# Altium PCB Sheet1.PcbDoc
Units mm, origin at the board's own origin, x right, y up, seen from the top; angles counter-clockwise.
Board outline 68.6 x 53.25 mm, 2 copper layers (Top Layer, Bottom Layer), stack 1.66 mm thick; 61 components, 60 nets, 236 pads, 100 vias.
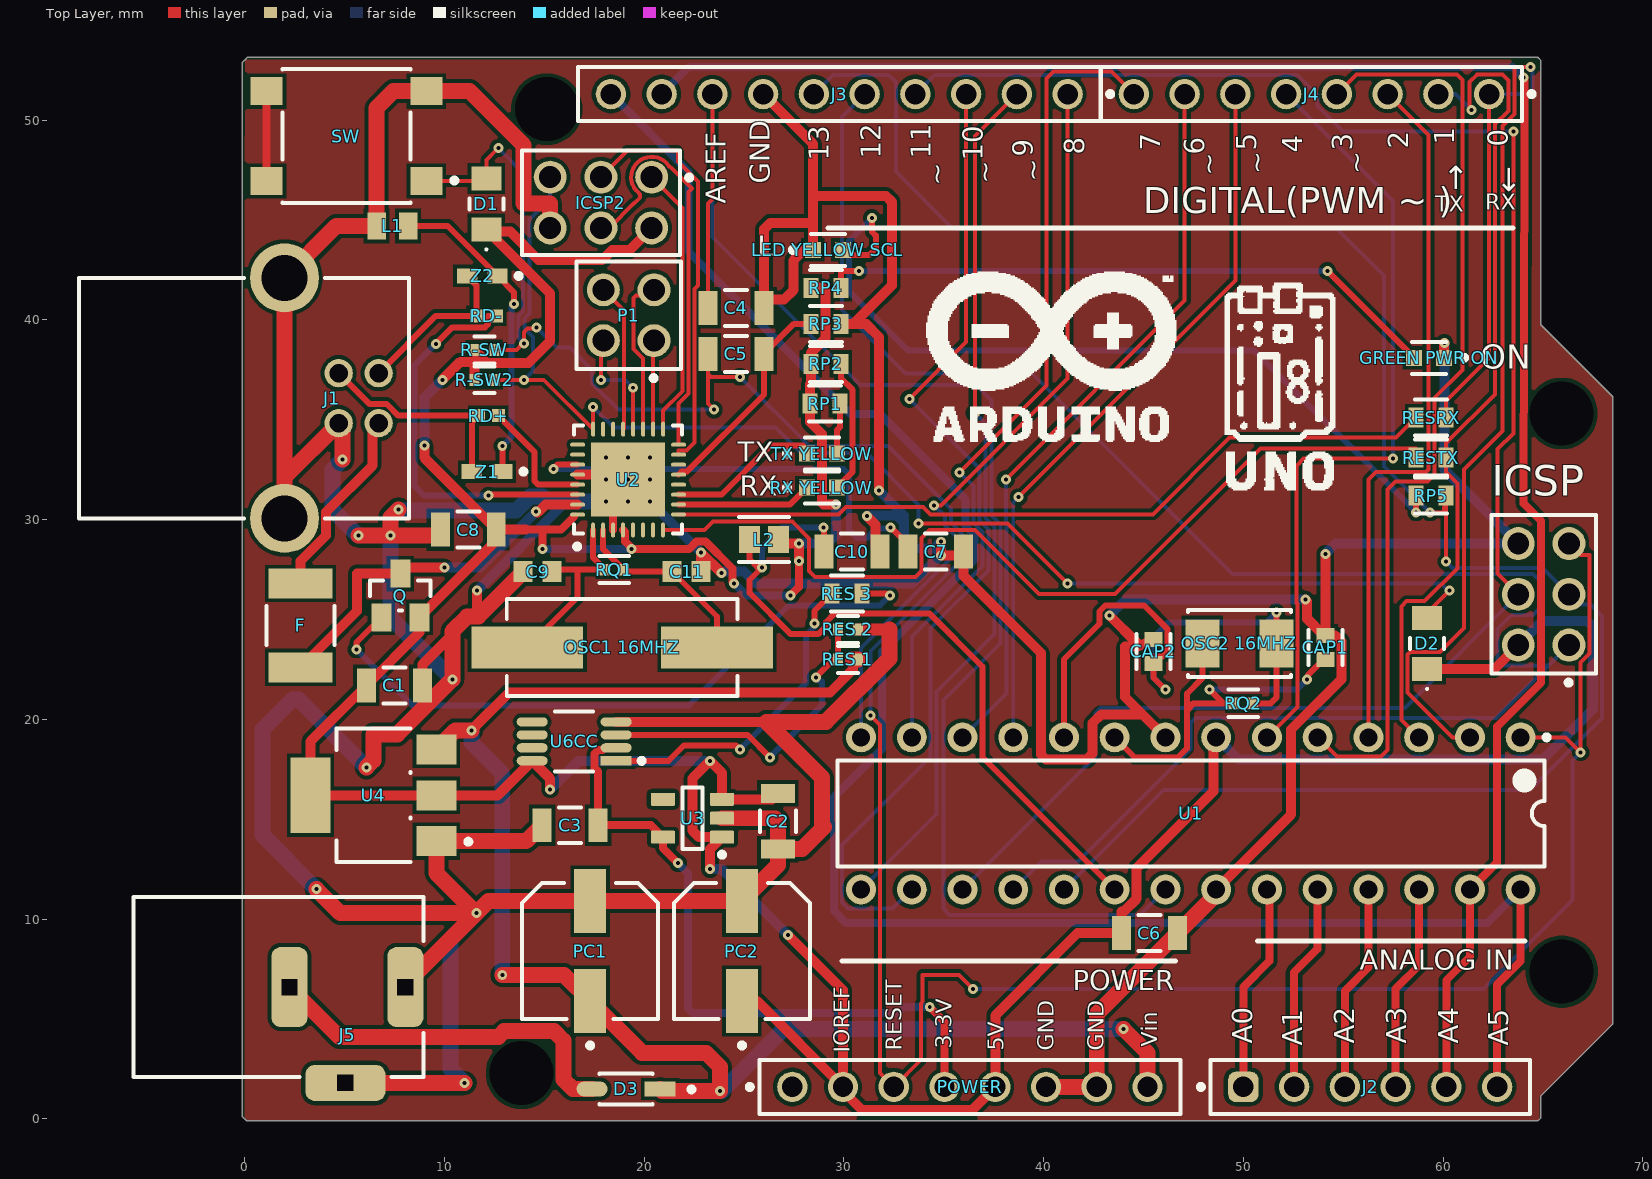
[diagram p0: Top Layer view]
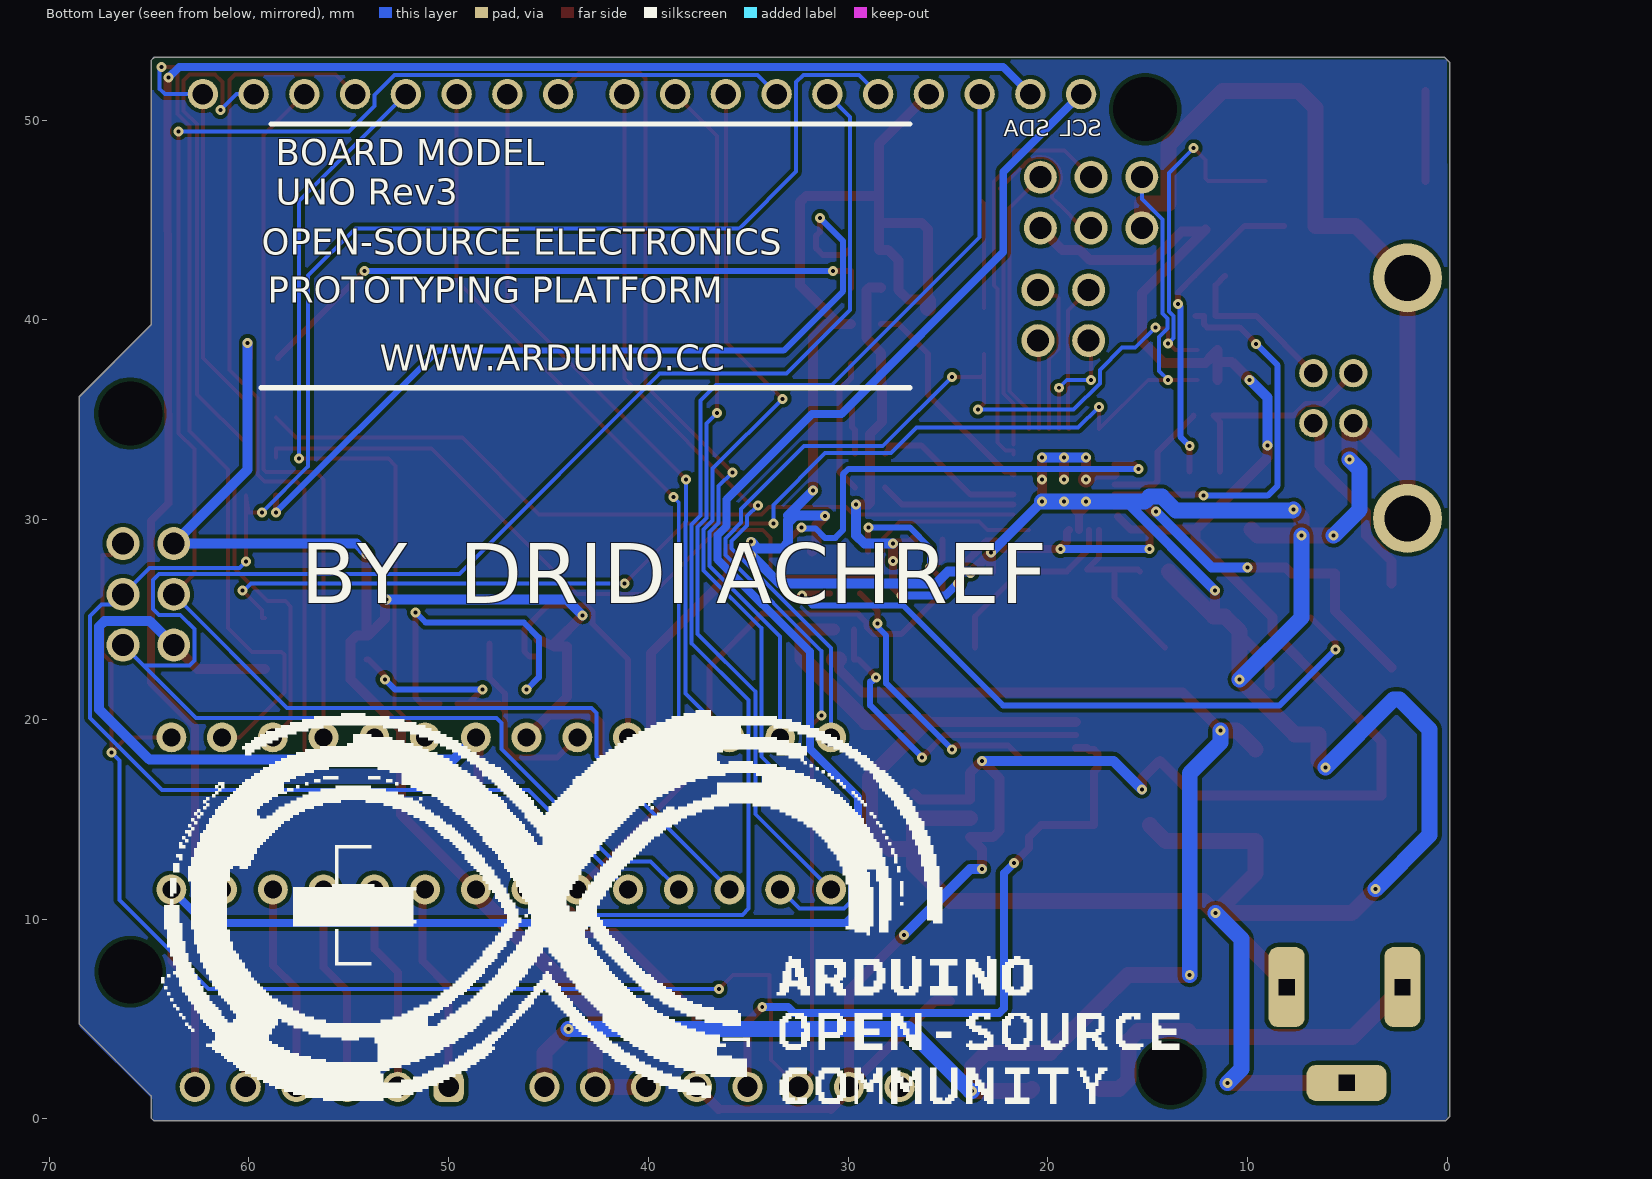
[diagram p1: Bottom Layer view, seen from below]
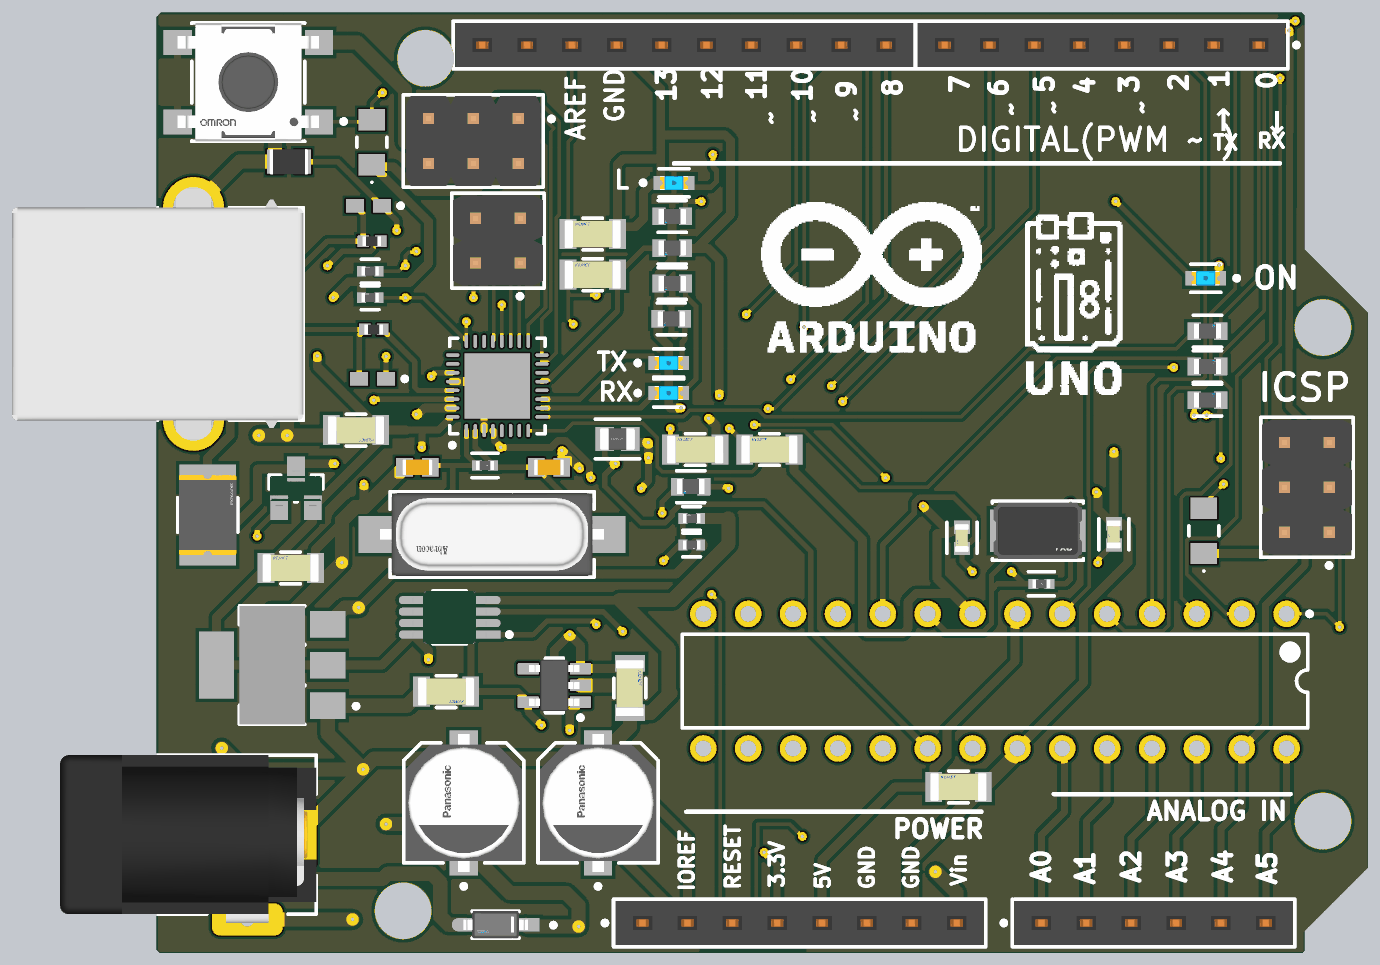
[diagram p2: 3D render of the assembled board from above, using the file's embedded part models]

## Layer stack, top to bottom
Top Solder: solder mask 0.05, Solder Resist, Dk 3.5
Top Layer: signal copper 0.03
Dielectric 1: dielectric 1.6, FR-4, Dk 4.8
Bottom Layer: signal copper 0.03
Bottom Solder: solder mask 0.05, Solder Resist, Dk 3.5

## Board outline
-0.105,0.105 -0.105,52.893 0.152,53.149 64.734,53.149 64.895,52.988 64.895,39.749 68.495,36.149 68.495,4.749 68.42,4.674 64.895,1.149 64.895,0.041 64.749,-0.105 0.105,-0.105

## Design rules (kind name [scope] priority, off if disabled: settings)
BackDrilling [All] p1: maxstublength=0.5 usetopbackdrill=TRUE usebottombackdrill=TRUE holeoversize=0.025 holetolplus=0 holetolminus=0
Clearance [All] p1: gap=0.1 ignorepadtopadclearanceinfootprint=FALSE except(0: Arc-Hole Track-Hole SMDPad-Hole THPad-Hole Via-Hole Fill-Hole Poly-Hole Region-Hole Text-Hole; 0.01: Arc-Text Track-Text Text-Text)
Creepage [All] p1: checkdistance=0.2 applytopolygonpour=TRUE
DiffPairsRouting [All] p1: maxlimit=0.4 minlimit=0.4 mostfreqgap=0.4 toplayer_minwidth=0.2 toplayer_maxwidth=0.2 toplayer_prefwidth=0.2 bottomlayer_minwidth=0.2 bottomlayer_maxwidth=0.2 bottomlayer_prefwidth=0.2 maxuncoupledlength=12.7
FlightTimeFalling [All] p1: maximum=10,00
FlightTimeRising [All] p1: maximum=10,00
HoleSize [All] p1: absolutevalues=TRUE maxlimit=3.5 minlimit=0.025 maxpercent=80.000 minpercent=20.000
HoleToHoleClearance [All] p1: gap=0.2 allowstackedmicrovias=TRUE
Length [All] p1: maxlimit=2540 minlimit=0
MatchedLengths [All] p1: tolerance=25.4 checknetsindiffpair=TRUE checkdiffpairvsdiffpair=FALSE checkxsignals=FALSE checkothers=FALSE
MaximumViaCount [All] p1: limit=500
MinimumSolderMaskSliver [All] p1: minsoldermaskwidth=0.08
NetAntennae [InNet('No Net')] p1: netantennaetolerance=1
ParallelSegment [All] p1: limit=254 gap=0.25
PlaneClearance [All] p1: clearance=0.6
PlaneConnect [All] p1: planeconnectstyle=Relief reliefexpansion=0.6 reliefentries=4 reliefconductorwidth=0.2 reliefairgap=0.2
PolygonConnect [All] p1: connectstyle=Relief reliefconductorwidth=0.2 reliefentries=4 polygonreliefangle="90 Angle" airgapwidth=0.2
ReturnPath [All] p1: _gaplimit=0.01
RoomDefinition Sheet1 [InComponentClass('Sheet1')] p1: confinementstyle=ConfineIn formatcopy=TRUE lockcomponents=FALSE outline 68.8,-0.4 68.8,53.7 -8.8,53.7 -8.8,-0.4
RoutingCorners [All] p1: cornerstyle=45-Degree minsetback=1 maxsetback=3
RoutingVias [All] p1: holewidth=0.2 width=0.5 viastyle="Through Hole" minholewidth=0.2 minwidth=0.5 maxholewidth=0.2 maxwidth=0.5
ShortCircuit [All] p1: allowed=TRUE
SignalBaseValue [All] p1: maximum=0,000
SignalStimulus [(InNet('D3') OR InNet('D5') OR InNet('D6') OR InNet('D9') OR InNet('D10') OR InNet('D11/MOSI'))] p1: kind=2 level=0 starttime=0,000 stoptime=2,000 periodtime=2,000
SignalTopValue [All] p1: minimum=3,000
SilkToSilkClearance [All] p1: silktosilkclearance=0.01
SilkToSolderMaskClearance [IsBGA] p1: minsilkscreentomaskgap=0.1 clearancetoexposedcopper=TRUE
SolderMaskExpansion [All] p1: expansion=0.1 istentingtop=FALSE
StubLength [All] p1: limit=30
SupplyNets SupplyNets_2 [(InNet('VIN') OR InNet('NetD3_2') OR InNet('+3V3') OR InNet('+3V3'))] p1: voltage=12,00
SupplyNets SupplyNets_1 [(InNet('+5') OR InNet('VUSB'))] p2: voltage=5,000
SupplyNets [(InNet('+3V3') OR InNet('+3V3') OR InNet('+3V3'))] p3: voltage=3,000
UnRoutedNet [All] p1: checkbadconnections=TRUE
ViasUnderSMD [All] p1: allowed=TRUE
Width [InNet('VUSB')] p1: maxlimit=0.5 minlimit=0.5 preferedwidth=0.5 minimp=50.000000 maximp=50.000000 favimp=50.000000
Width Width_4 [(InNet('D0/RX') OR InNet('D1/TX') OR InNet('D2') OR InNet('D3') OR InNet('D4') OR InNet('D5') OR InNet('D6') OR InNet('D7') OR InNet('D8') OR InNet('D9') OR InNet('D10') OR InNet('D11/MOSI') OR InNet('D12/MISO') OR InNet('D13/SCK') OR InNet('MISO2') OR InNet('AREF') OR InNet('MOSI2') OR InNet('PB4') OR InNet('PB5') OR InNet('PB6') OR InNet('PB7') OR InNet('RX') OR InNet('RESET') OR InNet('RESET-2') OR InNet('SCK2') OR InNet('RX') OR InNet('TX'))] p2: maxlimit=0.2 minlimit=0.2 preferedwidth=0.2 minimp=50.000000 maximp=50.000000 favimp=50.000000
Width Width_3 [(InNet('A0') OR InNet('A1') OR InNet('A2') OR InNet('A3') OR InNet('A4') OR InNet('A5')OR InNet('+3V3'))] p3: maxlimit=0.4 minlimit=0.4 preferedwidth=0.4 minimp=50.000000 maximp=50.000000 favimp=50.000000
Width Width_2 [(InNet('9') OR InNet('10') OR InNet('NetC5_2') OR InNet('NetC7_1') OR InNet('NetC9_1') OR InNet('NetC10_1') OR InNet('NetC11_1') OR InNet('NetGREEN PWR ON_2') OR InNet('NetJ1_2') OR InNet('NetJ1_3') OR InNet('NetL1_2') OR InNet('NetQ_1') OR InNet('NetLED YELLOW SCL_2') OR InNet('NetRD+_2') OR InNet('NetRD-_2') OR InNet('NetRES 1_1') OR InNet('NetRES 3_2') OR InNet('NetRP1_1') OR InNet('NetRP2_1') OR InNet('NetRX YELLOW_1') OR InNet('NetTX YELLOW_1'))] p4: maxlimit=0.3 minlimit=0.3 preferedwidth=0.3 minimp=50.000000 maximp=50.000000 favimp=50.000000
Width Width_1 [( InNet('+5') OR InNet('GND') OR InNet('NetD3_2') OR InNet('VIN')    OR InNet('NetF_1'))] p5: maxlimit=1 minlimit=0.1 preferedwidth=0.5 minimp=50.000000 maximp=50.000000 favimp=50.000000 checkconnectedcopper=TRUE
18 further rules are at their usual default settings.

## Components (designator, comment, footprint, x,y, rotation, side; value= is the part's Value field where it differs from the comment)
C1 "C1206C104K2RACTU" FP-C1206C-EB-MFG 7.5,21.7 r0 top value="0.10 μF"
C2 "C1206C104K2RACTU" FP-C1206C-EB-MFG 26.7,14.9 r270 top value="0.10 μF"
C3 "C1206C104K2RACTU" FP-C1206C-EB-MFG 16.3,14.7 r180 top value="0.10 μF"
C4 "C1206C104K2RACTU" FP-C1206C-EB-MFG 24.6,40.6 r0 top value="0.10 μF"
C5 "C1206C104K2RACTU" FP-C1206C-EB-MFG 24.6,38.3 r0 top value="0.10 μF"
C6 "C1206C104K2RACTU" FP-C1206C-EB-MFG 45.3,9.3 r0 top value="0.10 μF"
C7 "C1206C104K2RACTU" FP-C1206C-EB-MFG 34.6,28.4 r0 top value="0.10 μF"
C8 "C1206C104K2RACTU" FP-C1206C-EB-MFG 11.2,29.5 r180 top value="0.10 μF"
C9 "GRM1885C1H220JA01D" CAPC1608X90X35ML10T15 14.675,27.4 r180 top
C10 "C1206C104K2RACTU" FP-C1206C-EB-MFG 30.4,28.4 r0 top value="0.10 μF"
C11 "GRM1885C1H220JA01D" CAPC1608X90X35ML10T15 22.125,27.4 r0 top
CAP1 "C0603C120J5GACTU" FP-C0603C-CF-MFG 54.1,23.6 r90 top value="12 pF"
CAP2 "C0603C120J5GACTU" FP-C0603C-CF-MFG 45.5,23.4 r90 top value="12 pF"
D1 "CD1206-S01575" BOUR-CD1206-S01575-2_L 12.1,45.8 r270 top
D2 "CD1206-S01575" BOUR-CD1206-S01575-2_L 59.2,23.8 r270 top
D3 "1N5819HW-7-F" FP-SOD123-IPC_A 19.1,1.5 r180 top
F "MF-MSMF050-2" FP-MF-MSMF050-2-MFG 2.8,24.7 r270 top value=0.15-1Ω
"GREEN PWR ON" "LTST-C191TBKT" FP-LTST-C191TBKT-MFG 59.3,38.1 r180 top
ICSP "61300621121" 61300621121 65.03,26.26 r90 top
ICSP2 "61300621121" 61300621121 17.84,45.87 r180 top
J1 "61400416121" 61400416121 -0.03,36.08 r270 top
J2 "61300611821" 61300611821 56.35,1.6 r0 top
J3 "61301011821" 61301011821 29.77,51.3 r180 top
J4 "61300811821" 61300811821 53.41,51.3 r180 top
J5 "694106301002" 694106301002 1.7,6.6 r270 top
L1 "BLM21AH102SN1D" INDC2013X105X50LL20T20 7.4,44.7 r0 top
L2 "LB2012T100KR" FP-LB2012-1_25-0_2-IPC_C 26,29 r180 top
"LED YELLOW SCL" "LTST-C191TBKT" FP-LTST-C191TBKT-MFG 29.2,43.5 r0 top
"OSC1 16MHZ" "ABLS-16.000MHZ-K4T" FP-ABLS-MFG 18.9,23.6 r180 top
"OSC2 16MHZ" "7A-16.000MAAE-T" FP-7A-MFG 49.8,23.8 r0 top
P1 "61300421121" 61300421121 19.23,40.23 r90 top
PC1 "EEEFK1E470P" FP-FKD-MFG 17.3,8.4 r90 top
PC2 "EEEFK1E470P" FP-FKD-MFG 24.9,8.4 r90 top
POWER "61300811821" 61300811821 36.31,1.6 r0 top
Q "FDN340P" FP-527AG-MFG 7.8,26.2 r90 top
R-SW "AC0402FR-0710KL" FP-AC0402-MFG 12,38.5 r180 top
R-SW2 "AC0402FR-0710KL" FP-AC0402-MFG 12,37 r180 top
RD+ "ERJ-2RKF22R0X" RESC1005X40X25ML05T05 12.2,35.2 r0 top
RD- "ERJ-2RKF22R0X" RESC1005X40X25ML05T05 12.1,40.2 r0 top
"RES 1" "AC0402FR-0710KL" FP-AC0402-MFG 30.2,23 r0 top
"RES 2" "AC0402FR-0710KL" FP-AC0402-MFG 30.2,24.5 r180 top
"RES 3" "CRCW06031K00FKEA" FP-CRCW0603-e3-MFG 30.15,26.3 r180 top
RESRX "CRCW06031K00FKEA" FP-CRCW0603-e3-MFG 59.4,35.1 r0 top
RESTX "CRCW06031K00FKEA" FP-CRCW0603-e3-MFG 59.4,33.1 r0 top
RP1 "CRCW06031K00FKEA" FP-CRCW0603-e3-MFG 29.05,35.8 r180 top
RP2 "CRCW06031K00FKEA" FP-CRCW0603-e3-MFG 29.1,37.8 r180 top
RP3 "CRCW06031K00FKEA" FP-CRCW0603-e3-MFG 29.1,39.8 r180 top
RP4 "CRCW06031K00FKEA" FP-CRCW0603-e3-MFG 29.1,41.6 r180 top
RP5 "CRCW06031K00FKEA" FP-CRCW0603-e3-MFG 59.4,31.2 r0 top
RQ1 "MCR01MRTF1004" FP-MCR01-IPC_B 18.5,27.5 r180 top
RQ2 "MCR01MRTF1004" FP-MCR01-IPC_B 50,20.8 r180 top
"RX YELLOW" "LTST-C191TBKT" FP-LTST-C191TBKT-MFG 28.9,31.6 r0 top
SW "B3FS-1000P" FP-B3FS-1000P-MFG 5.1,49.2 r0 top
"TX YELLOW" "LTST-C191TBKT" FP-LTST-C191TBKT-MFG 28.9,33.3 r0 top
U1 "ATmega328P-PU" 28P3 47.37,15.29 r270 top
U2 "ATmega16U2-MU" 32PG_N 19.2,32 r90 top
U3 "LP2985-33DBVR" DBV0005A_M 22.425,15.05 r180 top
U4 "NCP1117ST50T3G" FP-318H-MFG 6.45,16.2 r180 top
U6CC "LMV358IDGKR" FP-DGK0008A-IPC_B 16.5,18.9 r180 top
Z1 "CG0603MLC-05E" BOUR-CG0603-2_V 12.14,32.4 r180 top
Z2 "CG0603MLC-05E" BOUR-CG0603-2_V 11.9,42.2 r180 top

## Footprints (in the part's own frame and the unit in brackets; to place one, negate y for a bottom-side part, rotate by r counter-clockwise, add the part's x,y. Pads: shape width x height; smd on the part's side, far side on the other; paste and mask are expansions set on the pad)
28P3 [mm] "28-Pin Plastic Dual In-Line Package (PDIP)"
  round 1.5 hole 0.9: 1(-3.81,16.51) 2(-3.81,13.97) 3(-3.81,11.43) 4(-3.81,8.89) 5(-3.81,6.35) 6(-3.81,3.81) 7(-3.81,1.27) 8(-3.81,-1.27) 9(-3.81,-3.81) 10(-3.81,-6.35) 11(-3.81,-8.89) 12(-3.81,-11.43) 13(-3.81,-13.97) 14(-3.81,-16.51) 15(3.81,-16.51) 16(3.81,-13.97) 17(3.81,-11.43) 18(3.81,-8.89) 19(3.81,-6.35) 20(3.81,-3.81) 21(3.81,-1.27) 22(3.81,1.27) 23(3.81,3.81) 24(3.81,6.35) 25(3.81,8.89) 26(3.81,11.43) 27(3.81,13.97) 28(3.81,16.51)
  silkscreen extent -3.93,-17.7 2.65,17.94, body extent -3.6,-17.65 3.6,17.65, height 4.58
32PG_N [mm] "QFN, 32-Leads, Body 5x5mm, Pitch 0.5mm, Thermal Pad 3.7x3.7mm, IPC Medium Density"
  oval 0.75x0.2 smd: 1(-2.525,1.75) 2(-2.525,1.25) 3(-2.525,0.75) 4(-2.525,0.25) 5(-2.525,-0.25) 6(-2.525,-0.75) 7(-2.525,-1.25) 8(-2.525,-1.75) 17(2.525,-1.75) 18(2.525,-1.25) 19(2.525,-0.75) 20(2.525,-0.25) 21(2.525,0.25) 22(2.525,0.75) 23(2.525,1.25) 24(2.525,1.75)
  oval 0.2x0.75 smd: 9(-1.75,-2.525) 10(-1.25,-2.525) 11(-0.75,-2.525) 12(-0.25,-2.525) 13(0.25,-2.525) 14(0.75,-2.525) 15(1.25,-2.525) 16(1.75,-2.525) 25(1.75,2.525) 26(1.25,2.525) 27(0.75,2.525) 28(0.25,2.525) 29(-0.25,2.525) 30(-0.75,2.525) 31(-1.25,2.525) 32(-1.75,2.525)
  rect 3.7x3.7 smd: 33(0,0)
  silkscreen extent -3.47,-2.7 2.7,2.7, body extent -2.55,-2.55 2.55,2.55, height 1
61300421121 [mm] "Pin Header, pitch 2.54 mm, THT, Vertical, dual row, 4p"
  round 1.65 hole 1.1: 1(-1.27,-1.27) 2(-1.27,1.27) 3(1.27,-1.27) 4(1.27,1.27)
  silkscreen extent -3.27,-2.62 2.69,2.62, body extent -2.54,-2.54 2.54,2.54, height 8.59
61300611821 [mm] "Socket Header, Pitch 2.54 mm, THT, Vertical, single row, 6p"
  rrect50% 1.52x1.52 hole 1.02: 1(-6.35,0)
  round 1.52 hole 1.02: 2(-3.81,0) 3(-1.27,0) 4(1.27,0) 5(3.81,0) 6(6.35,0)
  silkscreen extent -8.6,-1.35 8,1.35, body extent -7.87,-1.25 7.87,1.25, height 8.55
61300621121 [mm] "Pin Header, pitch 2.54 mm, THT, Vertical, dual row, 6p"
  round 1.65 hole 1.1: 1(-2.54,-1.27) 2(-2.54,1.27) 3(0,-1.27) 4(0,1.27) 5(2.54,-1.27) 6(2.54,1.27)
  silkscreen extent -4.54,-2.62 3.96,2.62, body extent -3.81,-2.54 3.81,2.54, height 8.59
61300811821 [mm] "Socket Header, Pitch 2.54 mm, THT, Vertical, single row, 8p"
  round 1.52 hole 1.02: 1(-8.89,0) 2(-6.35,0) 3(-3.81,0) 4(-1.27,0) 5(1.27,0) 6(3.81,0) 7(6.35,0) 8(8.89,0)
  silkscreen extent -11.15,-1.35 10.54,1.35, body extent -10.41,-1.25 10.41,1.25, height 8.55
61301011821 [mm] "Socket Header, Pitch 2.54 mm, THT, Vertical, single row, 10p"
  round 1.52 hole 1.02: 1(-11.43,0) 2(-8.89,0) 3(-6.35,0) 4(-3.81,0) 5(-1.27,0) 6(1.27,0) 7(3.81,0) 8(6.35,0) 9(8.89,0) 10(11.43,0)
  silkscreen extent -13.69,-1.35 13.08,1.35, body extent -12.95,-1.25 12.95,1.25, height 8.55
61400416121 [mm] "USB 2.0 Type B Horizontal"
  round 1.42 hole 0.92: 1(1.25,6.74) 2(-1.25,6.74) 3(-1.25,4.74) 4(1.25,4.74)
  round 3.45 hole 2.3: Shell(-6.02,2.03) Shell(6.02,2.03)
  silkscreen extent -6.02,-8.25 6.02,8.25, body extent -7.48,-8.25 7.48,8.25, height 11.15
694106301002 [mm] "DC Power Jack Right Angled(6.4)"
  rrect50% 4x1.8 hole 0.8 square: 1(0,6.35) 2(0,0.55)
  rrect50% 1.8x4 hole 0.8 square: 3(4.8,3.35)
  silkscreen extent -4.5,-7.25 4.5,7.25, body extent -4.5,-7.25 5,7.25, height 10.75
BOUR-CD1206-S01575-2_L [mm] "Molded Diode, 2-Leads, Body 3.4x1.7mm, IPC High Density"
  rect 1.2x1.5 smd: 1(-1.275,0) 2(1.275,0)
  silkscreen extent -0.27,-0.85 2.32,0.85, body extent -1.7,-0.85 1.7,0.85, height 0.95
BOUR-CG0603-2_V [mm] "SMD, 2-Leads, Body 1.6x0.8mm, Pitch 1.52mm"
  rect 1.02x0.76 smd: 1(-0.76,0) 2(0.76,0)
  silkscreen extent -1.94,-0.12 -1.7,0.12, body extent -0.8,-0.4 0.8,0.4, height 0.55
CAPC1608X90X35ML10T15 [mm] "Chip Capacitor, 2-Leads, Body 1.7x0.9mm, IPC Low Density"
  rect 0.95x1.05 smd: 1(-0.725,0) 2(0.725,0)
  body extent -0.85,-0.45 0.85,0.45, height 0.9
DBV0005A_M [mm] "SOT23, 5-Leads, Body 3.05x1.75mm, Pitch 0.95mm, IPC Low Density"
  rrect15% 1.2x0.65 smd: 1(-1.475,0.95) 2(-1.475,0) 3(-1.475,-0.95) 4(1.475,-0.95) 5(1.475,0.95)
  silkscreen extent -1.6,-1.55 0.5,1.95, body extent -1.42,-1.46 1.42,1.46, height 1.08
FP-7A-MFG [mm]
  rect 1.7x2.4 smd paste+0 mask+0: 1(-1.85,0) 2(1.85,0)
  silkscreen extent -2.58,-1.68 2.57,1.67, body extent -2.8,-1.78 2.8,1.78, height 0.25
FP-318H-MFG [mm]
  rect 2x1.5 smd paste+0 mask+0: 1(-3.15,2.3) 2(-3.15,0) 3(-3.15,-2.3)
  rect 2x3.8 smd paste+0 mask+0: 4(3.15,0)
  silkscreen extent -4.88,-3.35 1.85,3.35, body extent -4.25,-3.68 4.25,3.68, height 0.25
FP-527AG-MFG [mm]
  rect 1.4x1 smd paste+0 mask+0: 1(-1.1,0.95) 2(-1.1,-0.95) 3(1.1,0)
  silkscreen extent -0.76,-1.52 0.76,1.52, body extent -1.9,-1.62 1.9,1.62, height 0.25
FP-ABLS-MFG [mm]
  rect 5.6x2.1 smd paste+0 mask+0: 1(-4.75,0) 2(4.75,0)
  silkscreen extent -5.78,-2.42 5.77,2.42, body extent -7.65,-2.52 7.65,2.52, height 0.25
FP-AC0402-MFG [mm]
  rect 0.5x0.6 smd paste+0 mask+0: 1(-0.5,0) 2(0.5,0)
  silkscreen extent -0.5,-0.68 0.5,0.67, body extent -0.85,-0.4 0.85,0.4, height 0.25
FP-B3FS-1000P-MFG [mm]
  rect 1.6x1.4 smd paste+0 mask+0: 1(4,-2.25) 2(-4,-2.25) 3(4,2.25) 4(-4,2.25)
  silkscreen extent -3.2,-3.35 5.53,3.35, body extent -4.9,-3.45 4.9,3.45, height 0.25
FP-C0603C-CF-MFG [mm]
  rect 0.75x0.9 smd paste+0 mask+0: 1(-0.6,0) 2(0.6,0)
  silkscreen extent -0.87,-0.85 0.88,0.85, body extent -1.2,-0.6 1.2,0.6, height 0.25
FP-C1206C-EB-MFG [mm]
  rect 0.95x1.7 smd paste+0 mask+0: 1(-1.4,0) 2(1.4,0)
  silkscreen extent -0.55,-0.9 0.55,0.9, body extent -2,-1 2,1, height 0.25
FP-CRCW0603-e3-MFG [mm]
  rect 0.75x1 smd paste+0 mask+0: 1(-0.75,0) 2(0.75,0)
  silkscreen extent -0.8,-0.9 0.8,0.9, body extent -1.22,-0.6 1.22,0.6, height 0.25
FP-DGK0008A-IPC_B [mm]
  rect 1.557x0.458 smd paste+0 mask+0: 1(-2.101,0.975)
  rrect100% 1.557x0.458 smd paste+0 mask+0: 2(-2.101,0.325) 3(-2.101,-0.325) 4(-2.101,-0.975) 5(2.101,-0.975) 6(2.101,-0.325) 7(2.101,0.325) 8(2.101,0.975)
  silkscreen extent -3.5,-1.5 0.95,1.5, body extent -3.13,-1.75 3.13,1.75, height 0.25
FP-FKD-MFG [mm]
  rect 3.2x1.6 smd paste+0 mask+0: 1(-2.5,0) 2(2.5,0)
  silkscreen extent -4.85,-3.4 3.4,3.4, body extent -4.35,-3.65 4.35,3.65, height 0.25
FP-LB2012-1_25-0_2-IPC_C [mm]
  rect 1.055x1.356 smd paste+0 mask+0: 1(-0.726,0) 2(0.726,0)
  silkscreen extent -1.25,-1.13 1.25,1.13, body extent -1.35,-0.82 1.35,0.82, height 0.25
FP-LTST-C191TBKT-MFG [mm]
  rect 0.8x0.8 smd paste+0 mask+0: 1(-0.75,0) 2(0.75,0)
  silkscreen extent -1.88,-0.8 0.85,0.8, body extent -1.25,-0.55 1.25,0.55, height 0.25
FP-MCR01-IPC_B [mm]
  rect 0.566x0.572 smd paste+0 mask+0: 1(-0.453,0) 2(0.453,0)
  silkscreen extent -0.74,-0.69 0.74,0.69, body extent -0.89,-0.44 0.89,0.44, height 0.25
FP-MF-MSMF050-2-MFG [mm]
  rect 1.5x3.2 smd paste+0 mask+0: 1(-2.1,0) 2(2.1,0)
  silkscreen extent -0.97,-1.71 0.97,1.7, body extent -2.95,-1.81 2.95,1.81, height 0.25
FP-SOD123-IPC_A [mm]
  rect 1.557x0.742 smd paste+0 mask+0: 1(-1.7,0)
  rrect100% 1.557x0.742 smd paste+0 mask+0: 2(1.7,0)
  silkscreen extent -3.39,-0.77 1.33,0.77, body extent -2.98,-1.28 2.98,1.28, height 0.25
INDC2013X105X50LL20T20 [mm] "Chip Inductor, 2-Leads, Body 2.2x1.45mm, IPC High Density"
  rect 0.93x1.37 smd: 1(-0.785,0) 2(0.785,0)
  body extent -1.1,-0.72 1.1,0.72, height 1.05
RESC1005X40X25ML05T05 [mm] "Chip Resistor, 2-Leads, Body 1.05x0.55mm, IPC Low Density"
  rect 0.65x0.65 smd: 1(-0.5,0) 2(0.5,0)
  body extent -0.53,-0.28 0.53,0.28, height 0.4
